# Altium PCB PCB.PcbDoc
Units mil, origin at the board's own origin, x right, y up, seen from the top; angles counter-clockwise.
Board outline 2110 x 3330 mil, 4 copper layers (Top Layer, 5V Plane, GND Plane, Bottom Layer), stack 23.756 mil thick; 30 components, 48 nets, 210 pads, 340 vias.
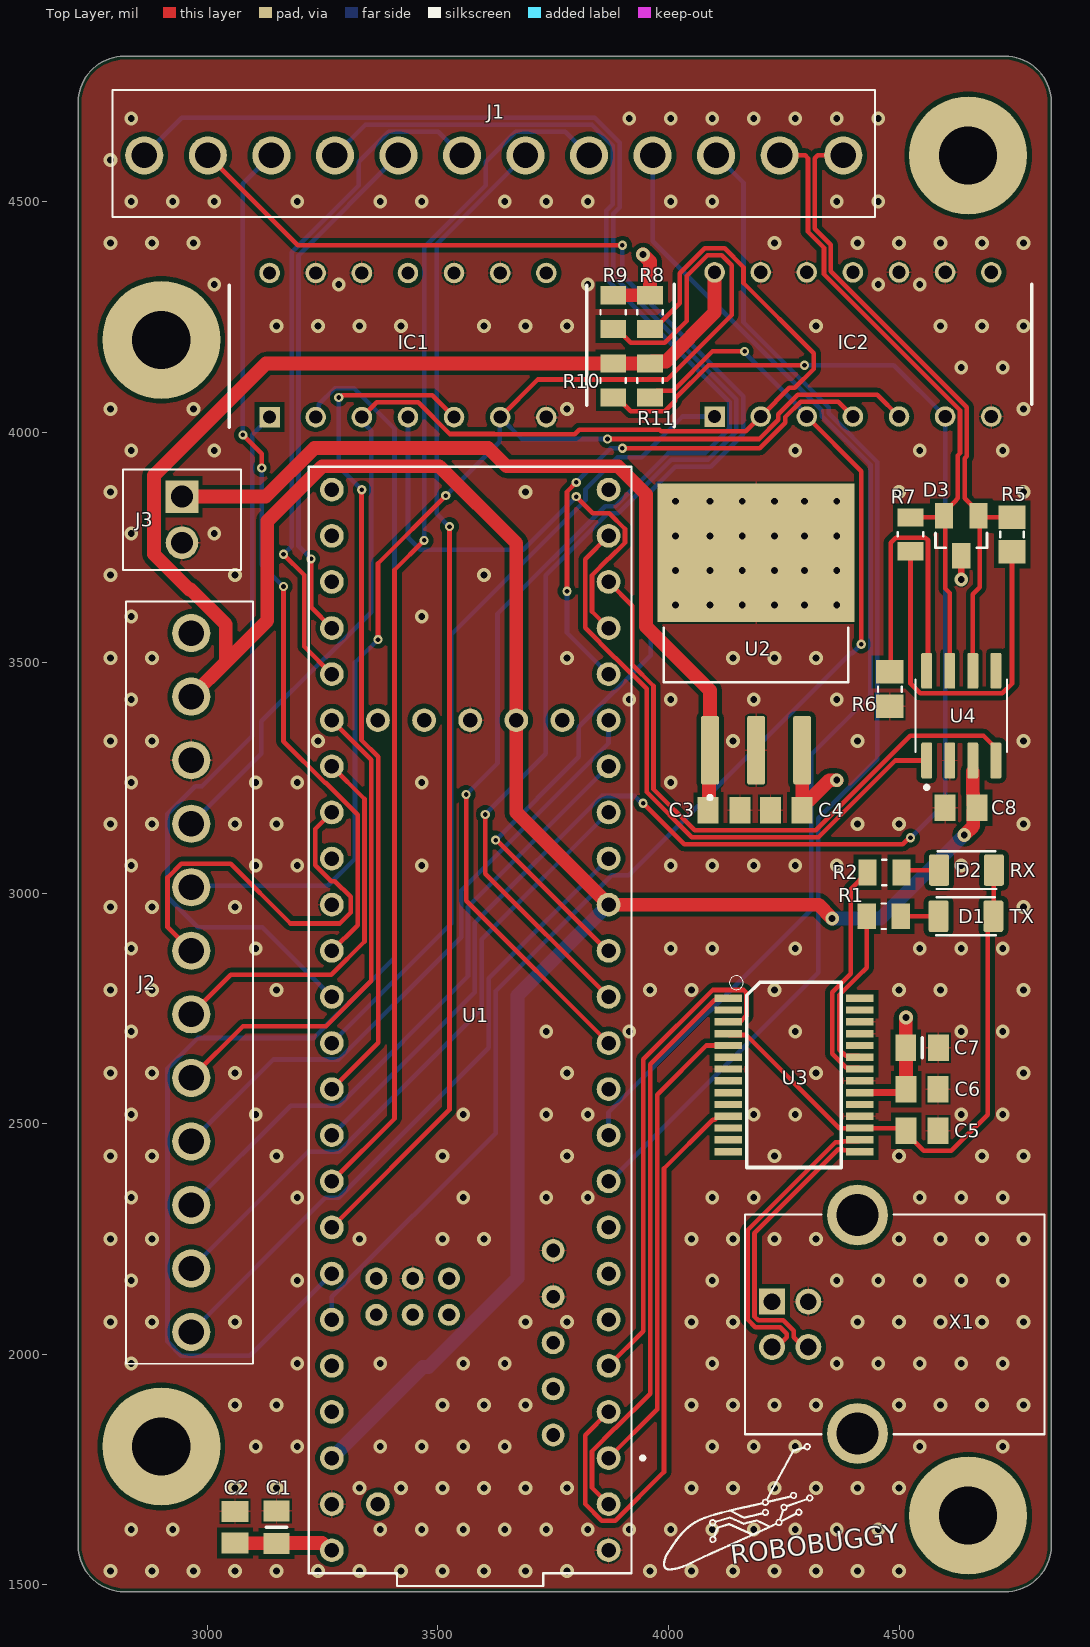
[diagram p0: Top Layer view]
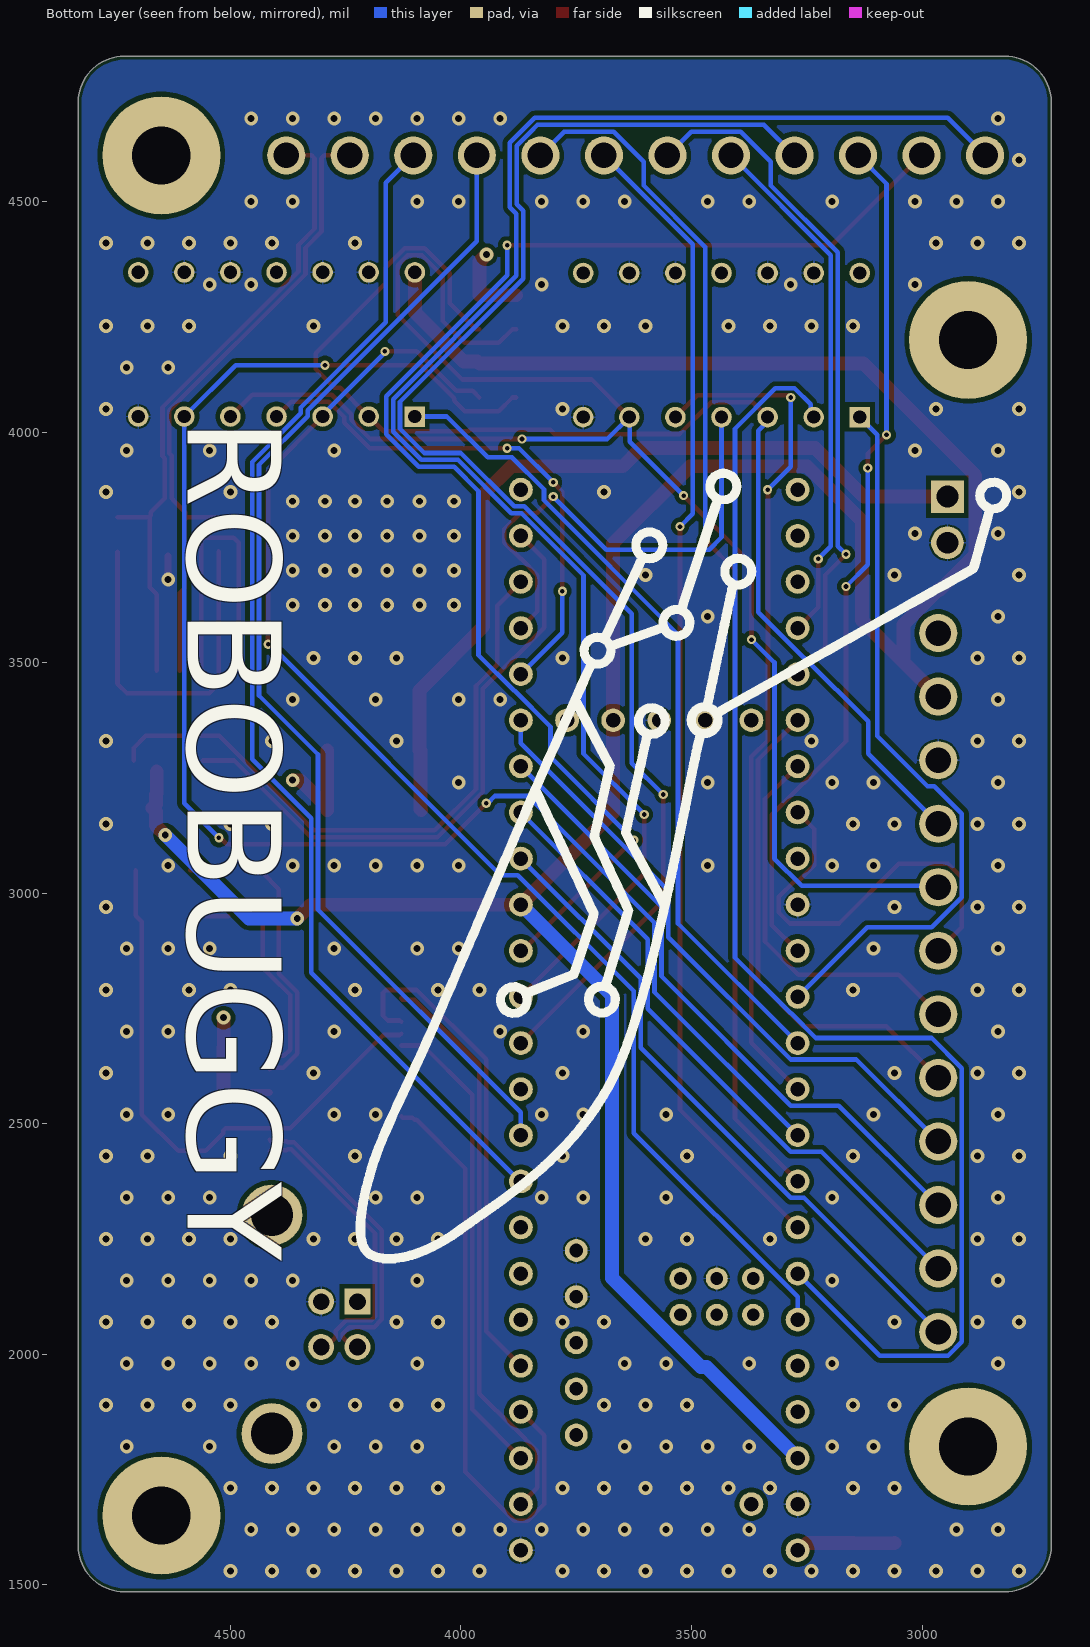
[diagram p1: Bottom Layer view, seen from below]
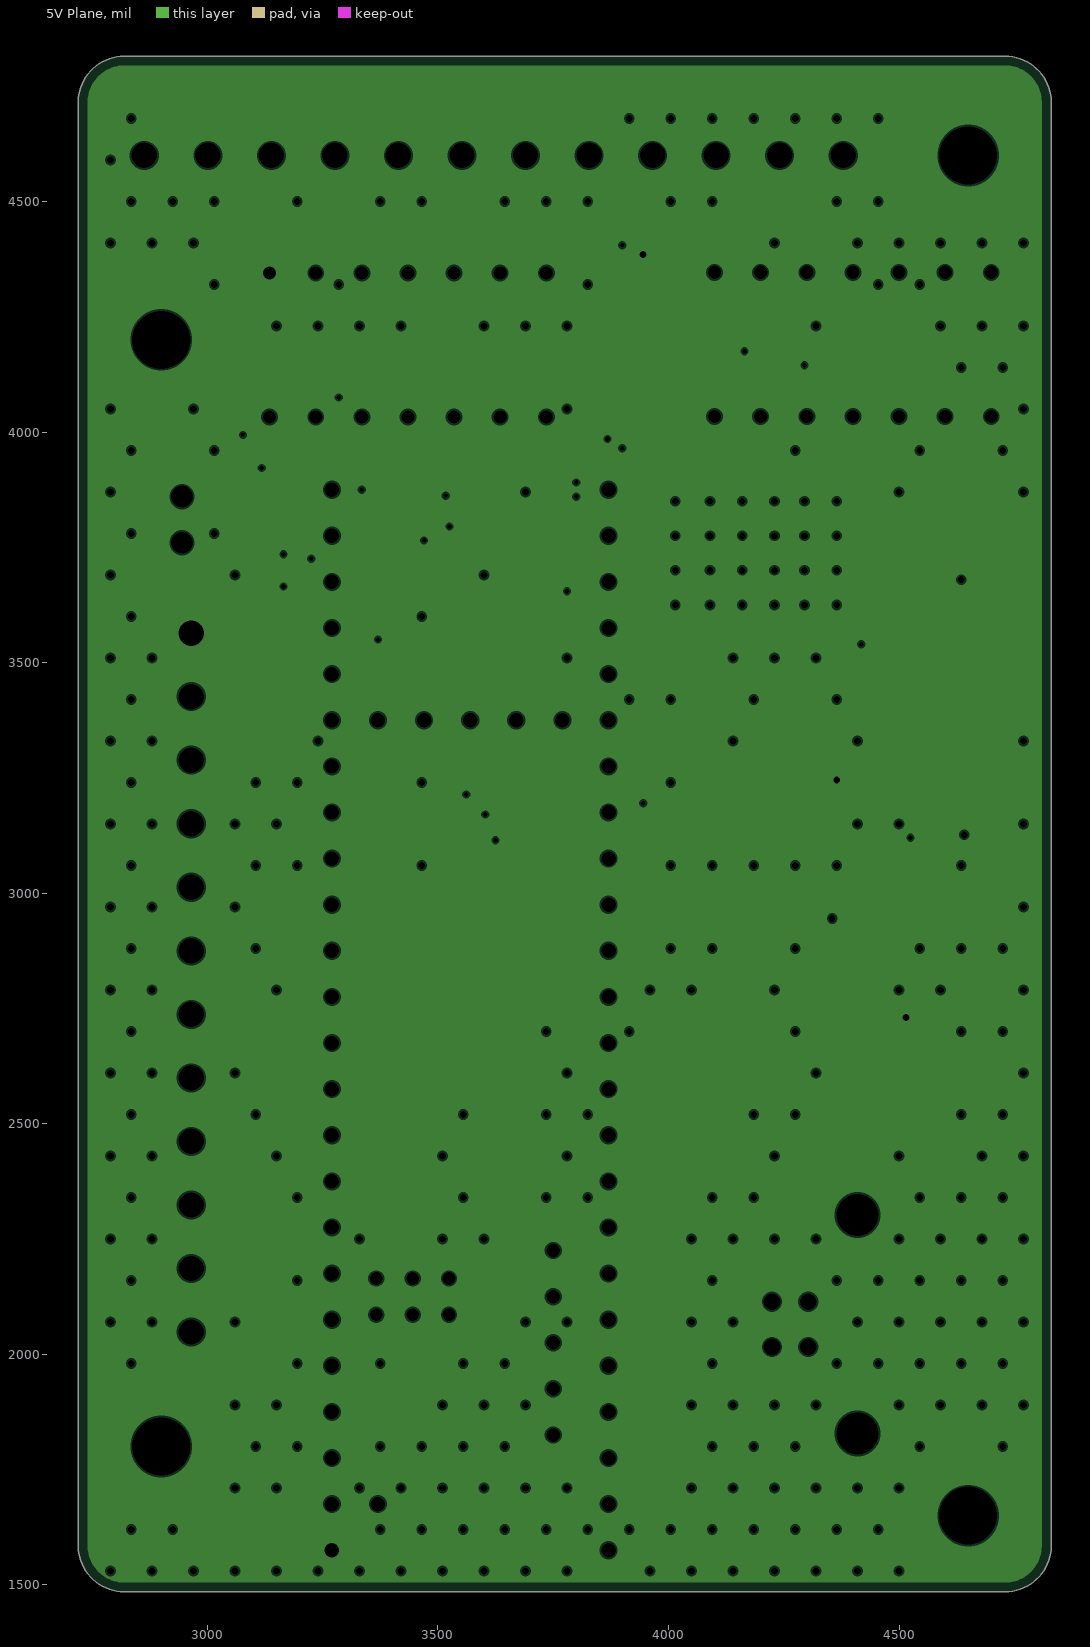
[diagram p2: 5V Plane, clearances drawn from the general rule]
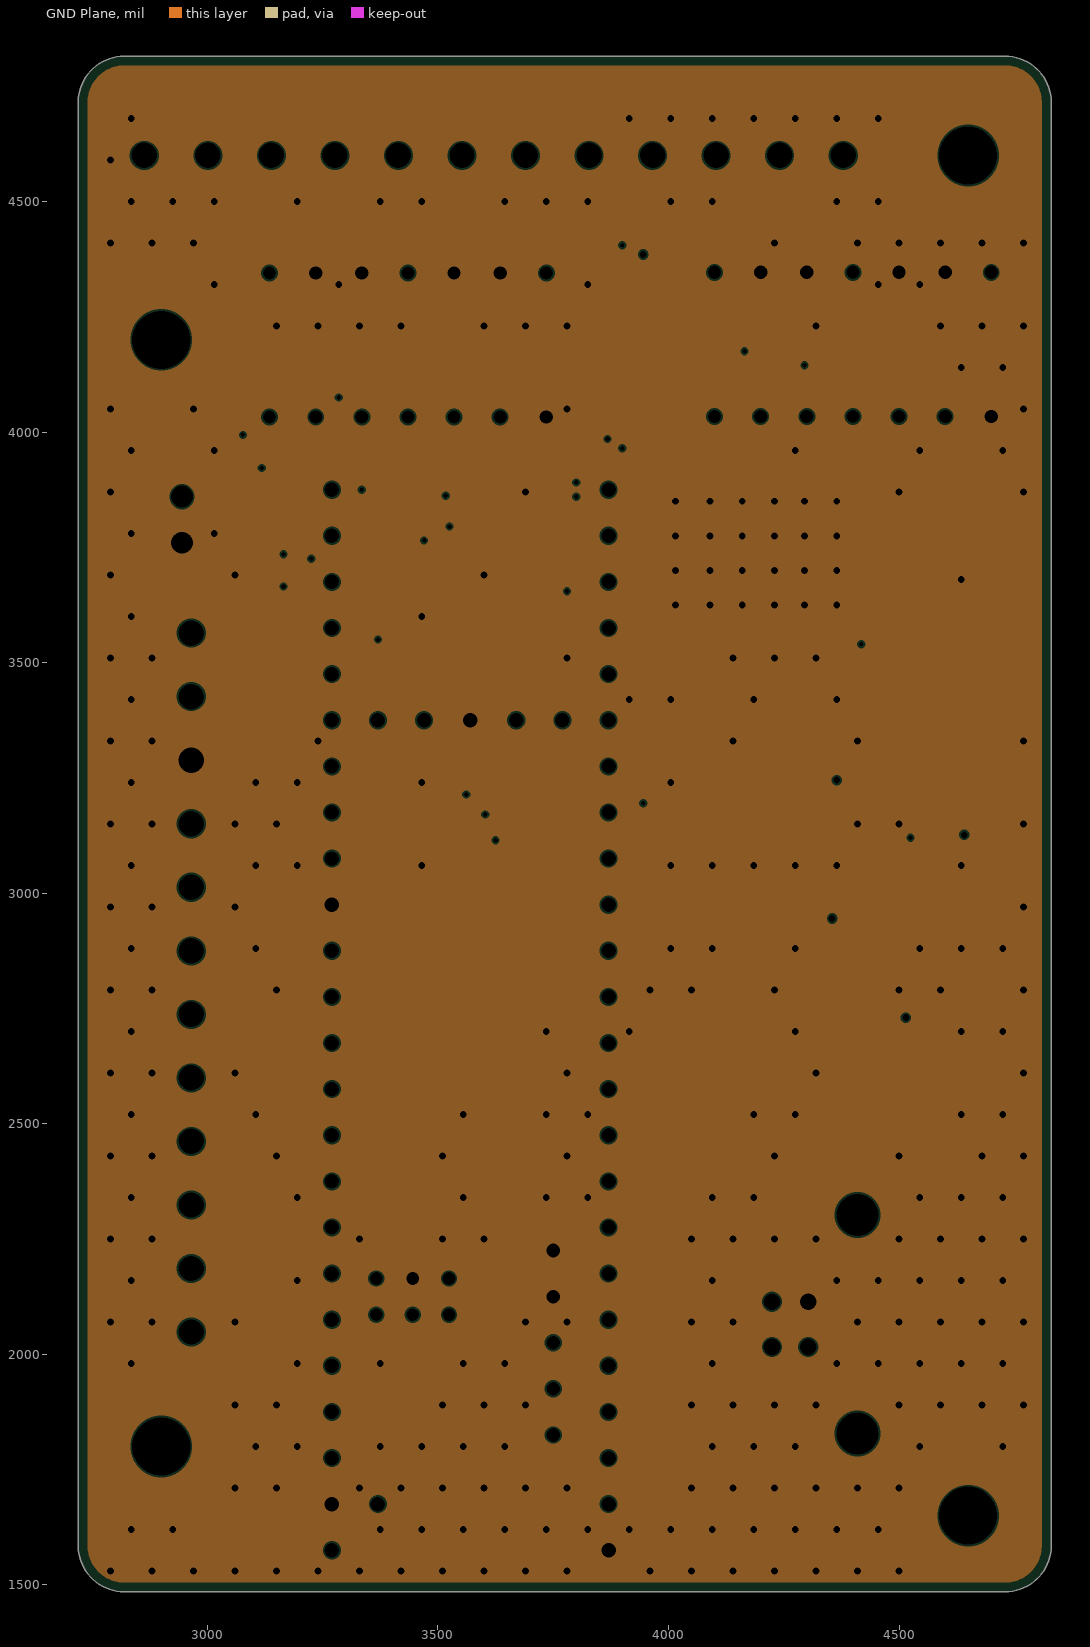
[diagram p3: GND Plane, clearances drawn from the general rule]
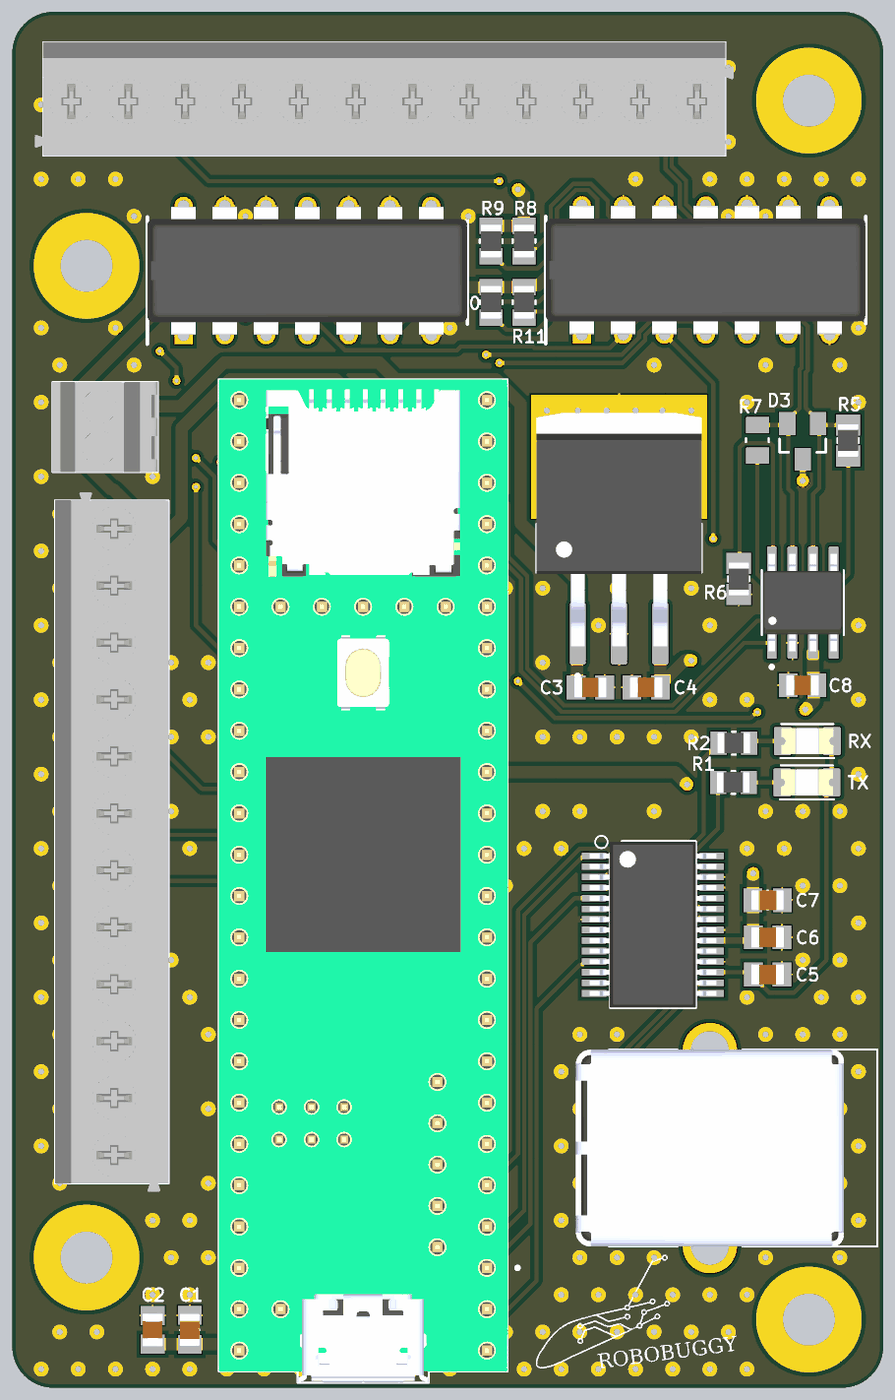
[diagram p4: 3D render of the assembled board from above, using the file's embedded part models]

## Layer stack, top to bottom
Top Solder: solder mask 0.4, Solder Resist, Dk 3.5
Top Layer: signal copper 1.4
Dielectric 2: prepreg 2.8, PP-006, Dk 4.1
5V Plane: plane copper 1.378, net +5
Dielectric 1: dielectric 12.6, FR-4, Dk 4.8
GND Plane: plane copper 1.378, net GND
Dielectric 3: prepreg 2.8, PP-006, Dk 4.1
Bottom Layer: signal copper 1.4
Bottom Solder: solder mask 0.4, Solder Resist, Dk 3.5

## Board outline
2720,1585 ccw(c2820,1585) 2820,1485 4730,1485 ccw(c4730,1585) 4830,1585 4830,4715 ccw(c4730,4715) 4730,4815 2820,4815 ccw(c2820,4715) 2720,4715 2720,3220

## Design rules (kind name [scope] priority, off if disabled: settings)
BoardOutlineClearance [All] p1: gap=7.87 ignorepadtopadclearanceinfootprint=FALSE
Clearance "Stitching GND" [IsStitchingVia and InNet('GND') vs (IsVia and (Not IsStitchingVia)) Or IsPad] p1: gap=10 ignorepadtopadclearanceinfootprint=FALSE
Clearance Clearance_1 [InNetClass('Power')] p2: gap=10 ignorepadtopadclearanceinfootprint=FALSE except(5: SMDPad-SMDPad SMDPad-THPad THPad-THPad; 15: Arc-Hole Track-Hole SMDPad-Hole THPad-Hole Via-Hole Fill-Hole Poly-Hole Region-Hole Text-Hole)
Clearance [All] p3: gap=5 ignorepadtopadclearanceinfootprint=FALSE except(10: Arc-Hole Track-Hole SMDPad-Hole THPad-Hole Via-Hole Fill-Hole Poly-Hole Region-Hole Text-Hole)
ComponentClearance [All] p1: gap=4 collisioncheckmode=3 verticalgap=4 showdistances=TRUE
DiffPairsRouting [All] p1: maxlimit=5 minlimit=5 mostfreqgap=5 toplayer_minwidth=10 toplayer_maxwidth=10 toplayer_prefwidth=10 bottomlayer_minwidth=10 bottomlayer_maxwidth=10 bottomlayer_prefwidth=10 maxuncoupledlength=500
Height [All] p1: minheight=0 maxheight=71497.94 prefheight=500
HoleSize [All] p1: absolutevalues=TRUE maxlimit=248.03 minlimit=7.87 maxpercent=80.000 minpercent=20.000
HoleToHoleClearance [All] p1: gap=9.84 allowstackedmicrovias=FALSE
MinimumAnnularRing [All] p1: minimumring=3
MinimumSolderMaskSliver [All] p1: minsoldermaskwidth=0
PlaneClearance [All] p1: clearance=4
PlaneConnect PlaneConnectPowerPads [InPadClass('PowerPads')] p1: planeconnectstyle=Direct reliefexpansion=20 reliefentries=4 reliefconductorwidth=10 reliefairgap=10
PlaneConnect [All] p2: pad.planeconnectstyle=Relief pad.reliefexpansion=11.81 pad.reliefentries=4 pad.reliefconductorwidth=4 pad.reliefairgap=4 via.planeconnectstyle=Direct via.reliefexpansion=11.81 via.reliefentries=4 via.reliefconductorwidth=5 via.reliefairgap=5
PolygonConnect PolygonConnectPowerPads [All vs (InPadClass('PowerPads'))] p1: connectstyle=Direct reliefconductorwidth=10 reliefentries=4 polygonreliefangle="90 Angle" airgapwidth=10
PolygonConnect [All] p2: thpad.connectstyle=Relief thpad.reliefconductorwidth=4 thpad.reliefentries=4 thpad.polygonreliefangle="90 Angle" thpad.airgapwidth=4 smdpad.connectstyle=Relief smdpad.reliefconductorwidth=4 smdpad.reliefentries=4 smdpad.polygonreliefangle="90 Angle" smdpad.airgapwidth=4 via.connectstyle=Direct via.reliefconductorwidth=5 via.reliefentries=4 via.polygonreliefangle="90 Angle" via.airgapwidth=5
RoutingVias RoutingVias_1 [InNetClass('Power')] p1: holewidth=15 width=30 viastyle="Through Hole" minholewidth=15 minwidth=30 maxholewidth=15 maxwidth=30
RoutingVias [All] p2: holewidth=10 width=20 viastyle="Through Hole" minholewidth=10 minwidth=20 maxholewidth=10 maxwidth=20
SilkToSilkClearance [All] p1: silktosilkclearance=0
SilkToSolderMaskClearance [IsPad] p1: minsilkscreentomaskgap=4 clearancetoexposedcopper=TRUE
SolderMaskExpansion [All] p1: expansion=2.95 istentingtop=FALSE
Width Width_1 [InNetClass('Power')] p1: maxlimit=30 minlimit=15 preferedwidth=30 minimp=50.000000 maximp=50.000000 favimp=50.000000
Width [All] p2: maxlimit=10 minlimit=10 preferedwidth=10 minimp=50.000000 maximp=50.000000 favimp=50.000000
20 further rules are at their usual default settings.

## Classes and differential pairs
net class Power: 3V3 +5 +12 GND
component class Dynamixel: IC1 IC2 R8 R9 R10 R11
component class Peripherals: J1 J2 J3
component class CAN: C8 D3 R5 R6 R7 U4
component class Serial: C5 C6 C7 D1 D2 R1 R2 U3 X1
component class Power: C1 C2 C3 C4 U2
component class Main: U1
differential pair USB: +USB_P -USB_N
differential pair CAN: +CAN_P -CAN_N

## Components (designator, comment, footprint, x,y, rotation, side; value= is the part's Value field where it differs from the comment)
C1 "CL21B106KOQNNNE" CAPC2012X140N#1 3150,1625 r270 top
C2 "0.1uF" CAPC2012X140N#2 3060,1625 r270 top
C3 "0.33uF" CAPC2012X100N 4120.55,3180 r0 top
C4 "100nF" CAPC2012X140N#2 4255.55,3180 r180 top
C5 "100nF" CAPC2012X140N#2 4550,2485 r0 top
C6 "100nF" CAPC2012X140N#2 4550,2575 r0 top
C7 "4.7uF" CAPC2012X140N#1 4550,2665 r0 top
C8 "100nF" CAPC2012X140N#2 4634.45,3185 r180 top
D1 "TX" LEDC3216X110 4645,2950 r0 top
D2 "RX" LEDC3216X110 4646.26,3050 r0 top
D3 "NUP2105L" SOT23 4635,3775 r180 top
IC1 "SN74AHCT125N" DIP794W53P254L1930H508Q14N 3435,4188.7 r90 top
IC2 "SN74AHCT125N" DIP794W53P254L1930H508Q14N 4400,4190 r90 top
J1 "1-1776275-2" 117762752 4378.98,4600 r180 top
J2 "1-1776275-2" 117762752 2965,3563.98 r270 top
J3 "282834-2" 282834-2_1 2945,3860 r270 top
R1 "270R" RESC2012X55N 4466.81,2950 r0 top
R2 "270R" RESC2012X55N 4468.19,3045 r0 top
R5 "0R" RESC2012X60 4745,3777.6 r90 top
R6 "0R" RESC2012X60 4480,3442.4 r90 top
R7 "120R" RESC2012X65N 4525,3778.19 r90 top
R8 "10k" RESC2012X55N 3960,4260 r90 top
R9 "10k" RESC2012X55N 3880,4260 r90 top
R10 "10k" RESC2012X55N 3880,4111.81 r90 top
R11 "10k" RESC2012X55N 3960,4111.81 r90 top
U1 "DEV-16771" MODULE_DEV-16771 3570,2725 r90 top
U2 "LM7805S/NOPB" TO254P1524X483-4N 4190,3561.97 r90 top
U3 "INTERFACE-FT232RL(SSOP28)" SSOP28-0.65-10.2X5.2MM 4272.28,2605.75 r270 top
U4 "SN65HVD230" SOIC127P599X175-8N 4635,3385 r90 top
X1 "USB-B1HSB6" OST_USB-B1HSB6 4410,2065 r90 top
